# KiCad board rabbit_mask_capacitors_right.kicad_pcb (continued)
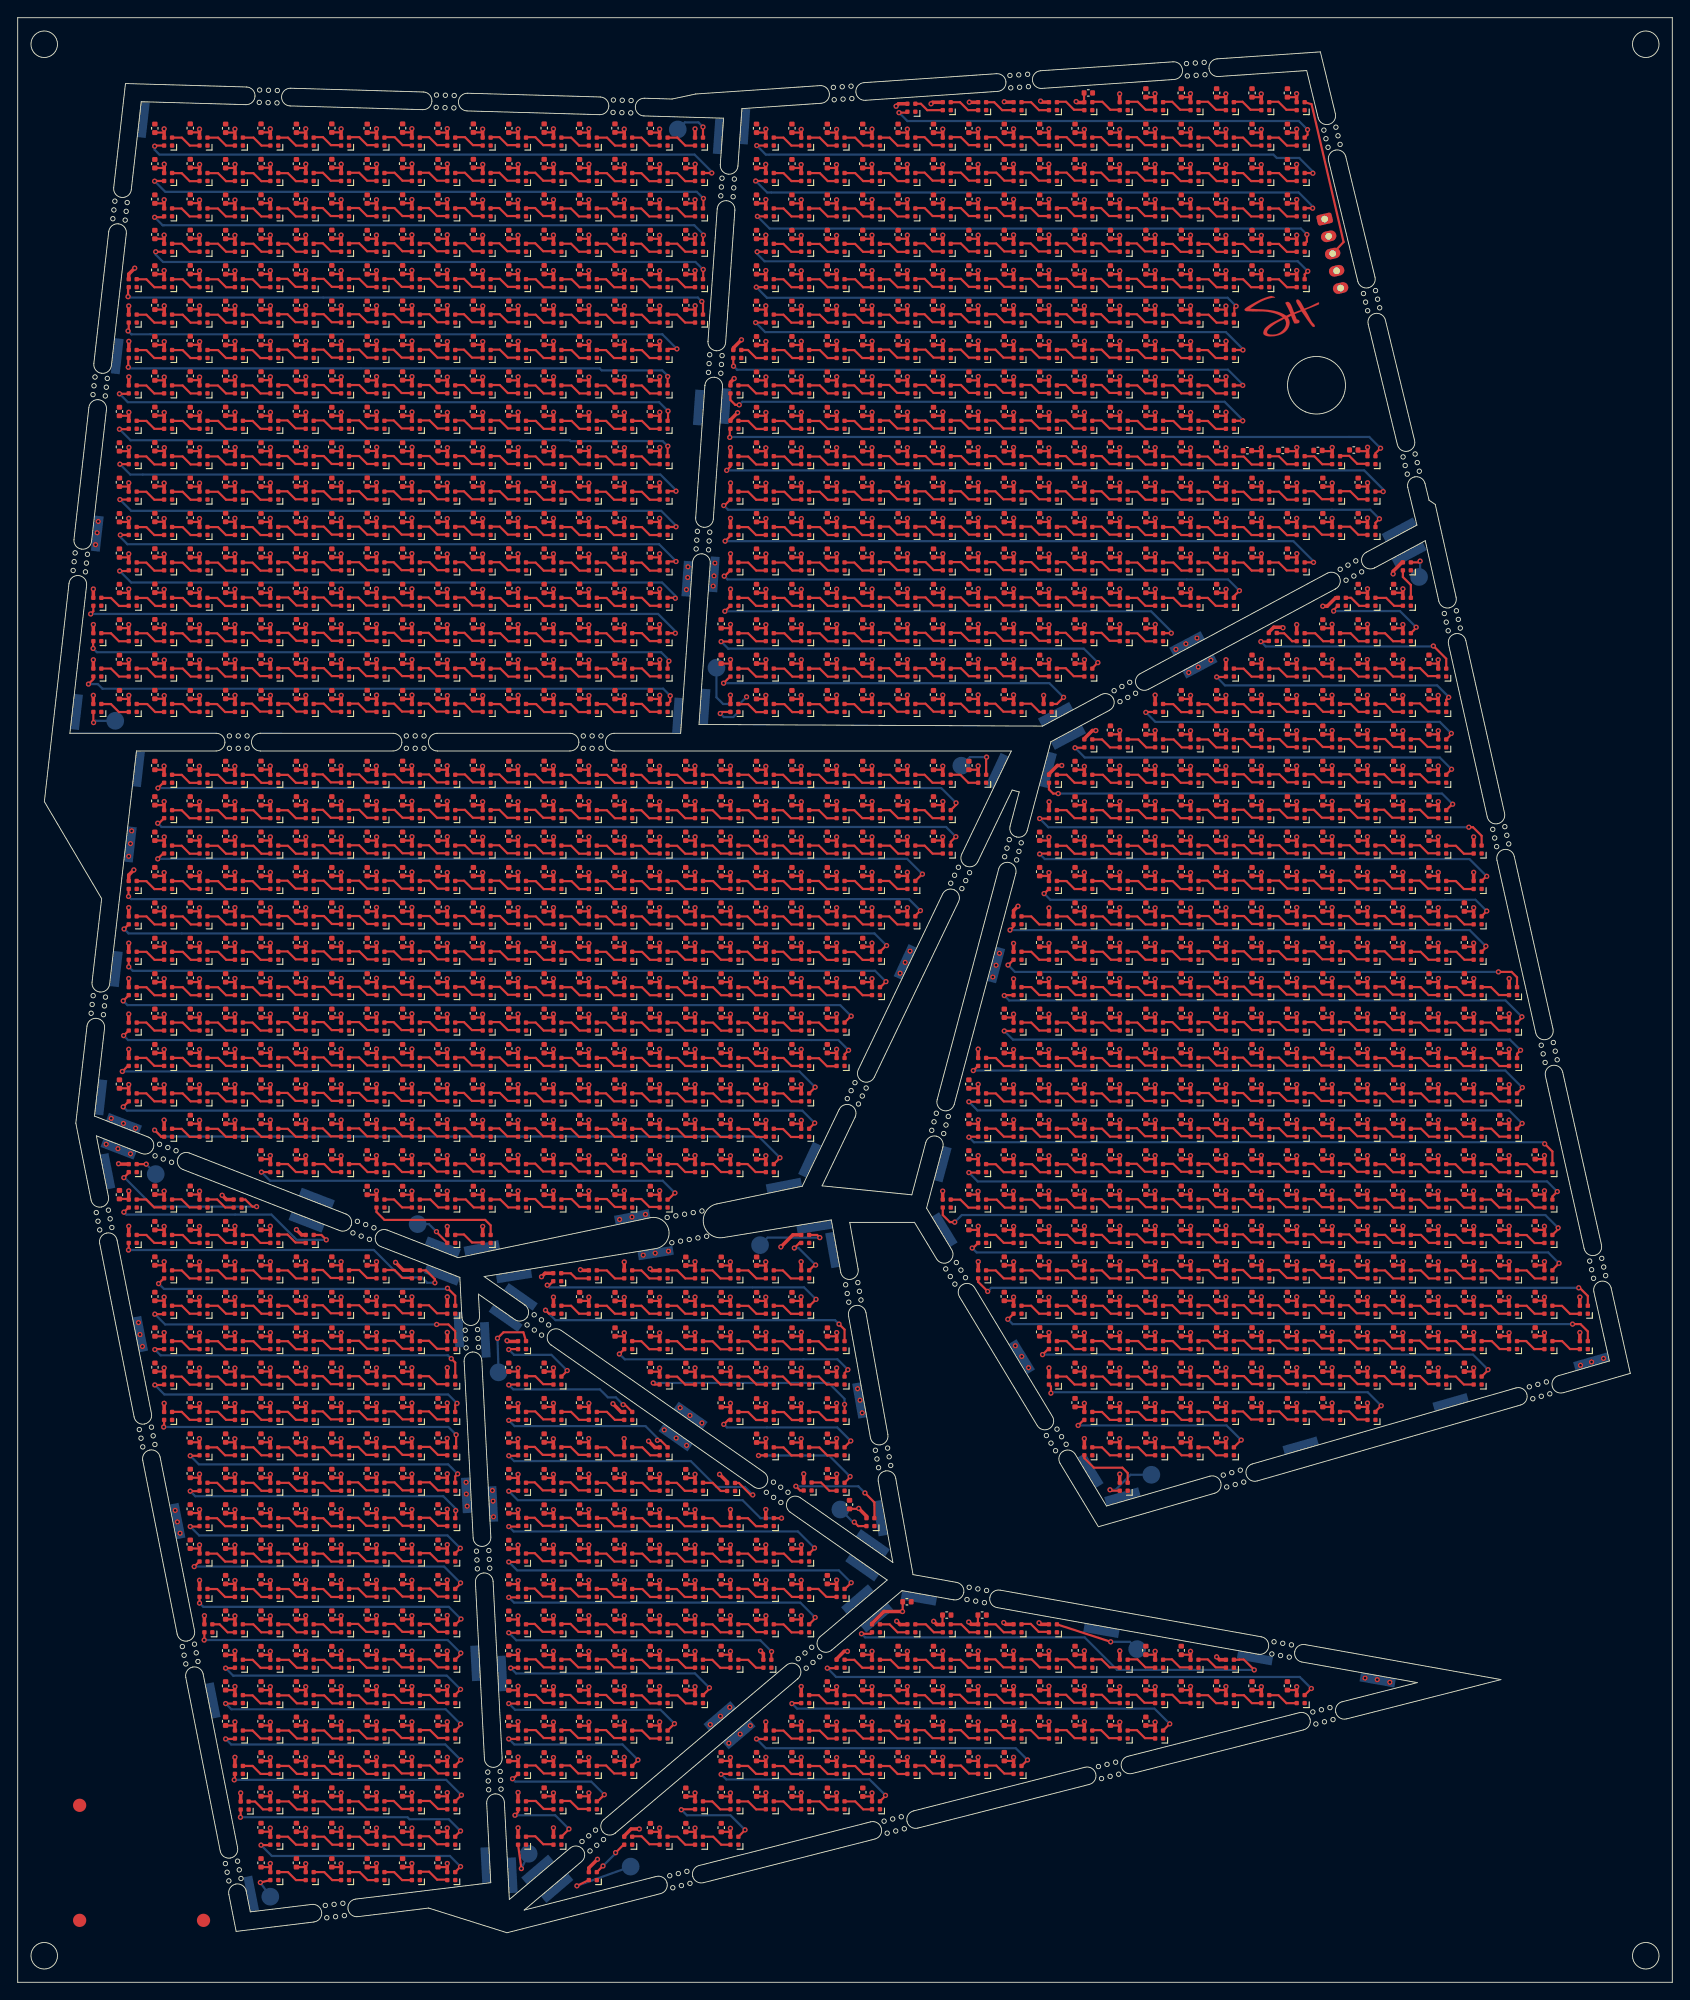
[diagram p0: board, top side]
## Copper pours and planes (outline as drawn; the poured copper is in the pictures) (continued)
VCC on Bottom: 158.08,33.89 99.99,44.3 57.33,8.22
VCC on Bottom: 98.25,45.47 52.1,77.76 55.59,9.38
VCC on Bottom: 49.96,79.64 8.9,95.64 26.29,7.96 53.45,11.26
VCC on Bottom: 91.94,86.15 52.76,79.75 98.88,47.45

## Text on the board
B.Silkscreen: 9 | 16 | 10 | 12 | 15 | 13 | 14 | 11
